# KiCad board Soldered Inkplate 6 FLICK_panel.kicad_pcb (continued)
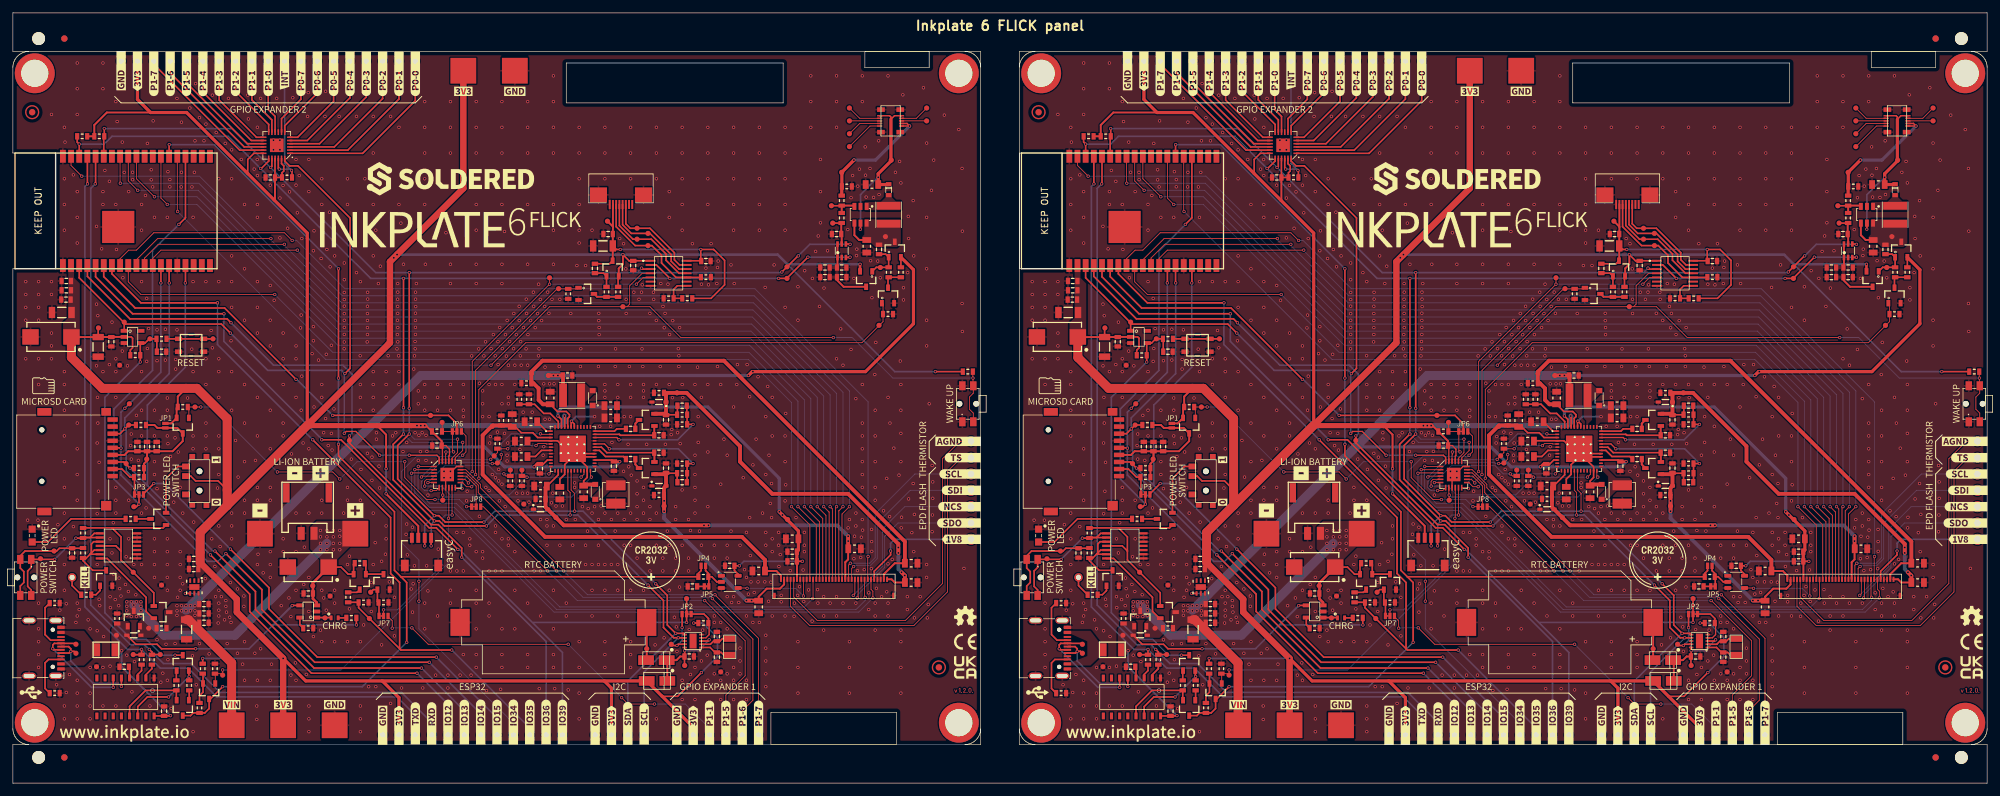
[diagram p0: board, top side]
## Placement (name value [footprint] x y rotation side) (continued)
kibuzzard-65561E03  G***  [kibuzzard-65561E03]  303.5 43 0 top
kibuzzard-65561E03#2  G***  [kibuzzard-65561E03]  147.1 43 0 top
kibuzzard-65647A0D  G***  [kibuzzard-65647A0D]  146.9 53.16 0 top
kibuzzard-65647A0D#2  G***  [kibuzzard-65647A0D]  303.3 53.16 0 top
kibuzzard-65647A02  G***  [kibuzzard-65647A02]  147.6 50.62 0 top
kibuzzard-65647A02#2  G***  [kibuzzard-65647A02]  304 50.62 0 top
kibuzzard-655603AE  G***  [kibuzzard-655603AE]  162.8 38.5 90 top
kibuzzard-655603AE#2  G***  [kibuzzard-655603AE]  6.4 38.5 90 top
kibuzzard-655616C1  G***  [kibuzzard-655616C1]  250.69 15 0 top
kibuzzard-655616C1#2  G***  [kibuzzard-655616C1]  94.29 15 0 top
kibuzzard-655616E7  G***  [kibuzzard-655616E7]  265.93 15 0 top
kibuzzard-655616E7#2  G***  [kibuzzard-655616E7]  109.53 15 0 top
kibuzzard-655618EE  G***  [kibuzzard-655618EE]  62.54 9.3 90 top
kibuzzard-655618EE#2  G***  [kibuzzard-655618EE]  218.94 9.3 90 top
kibuzzard-655619A9  G***  [kibuzzard-655619A9]  239.26 9.5 90 top
kibuzzard-655619A9#2  G***  [kibuzzard-655619A9]  82.86 9.5 90 top
kibuzzard-655619B1  G***  [kibuzzard-655619B1]  85.4 9.5 90 top
kibuzzard-655619B1#2  G***  [kibuzzard-655619B1]  241.8 9.5 90 top
kibuzzard-655619BF  G***  [kibuzzard-655619BF]  95.56 9.3 90 top
kibuzzard-655619BF#2  G***  [kibuzzard-655619BF]  251.96 9.3 90 top
kibuzzard-655619C8  G***  [kibuzzard-655619C8]  254.5 9.2 90 top
kibuzzard-655619C8#2  G***  [kibuzzard-655619C8]  98.1 9.2 90 top
kibuzzard-655619E4  G***  [kibuzzard-655619E4]  264.66 9.4 90 top
kibuzzard-655619E4#2  G***  [kibuzzard-655619E4]  108.26 9.4 90 top
kibuzzard-655619F2  G***  [kibuzzard-655619F2]  110.8 9.4 90 top
kibuzzard-655619F2#2  G***  [kibuzzard-655619F2]  267.2 9.4 90 top
kibuzzard-656479A8  G***  [kibuzzard-656479A8]  141.4 51.89 90 top
kibuzzard-656479A8#2  G***  [kibuzzard-656479A8]  297.8 51.89 90 top
kibuzzard-656479D1  G***  [kibuzzard-656479D1]  297.8 43 90 top
kibuzzard-656479D1#2  G***  [kibuzzard-656479D1]  141.4 43 90 top
kibuzzard-6556039F  G***  [kibuzzard-6556039F]  161.4 38.5 90 top
kibuzzard-6556039F#2  G***  [kibuzzard-6556039F]  4.8 32 90 top
kibuzzard-6556039F#3  G***  [kibuzzard-6556039F]  161.2 32 90 top
kibuzzard-6556039F#4  G***  [kibuzzard-6556039F]  5 38.5 90 top
kibuzzard-6556119D  G***  [kibuzzard-6556119D]  27.7 65.4 0 top
kibuzzard-6556119D#2  G***  [kibuzzard-6556119D]  184.1 65.4 0 top
kibuzzard-6556183B  G***  [kibuzzard-6556183B]  103.18 9 90 top
kibuzzard-6556183B#2  G***  [kibuzzard-6556183B]  259.58 9 90 top
kibuzzard-6556188F  G***  [kibuzzard-6556188F]  93.02 9 90 top
kibuzzard-6556188F#2  G***  [kibuzzard-6556188F]  249.42 9 90 top
kibuzzard-6556197A  G***  [kibuzzard-6556197A]  234.18 9.5 90 top
kibuzzard-6556197A#2  G***  [kibuzzard-6556197A]  77.78 9.5 90 top
kibuzzard-65560380  G***  [kibuzzard-65560380]  162.83 59.38 0 top
kibuzzard-65560380#2  G***  [kibuzzard-65560380]  6.43 59.38 0 top
kibuzzard-65560429  G***  [kibuzzard-65560429]  6.2 32 90 top
kibuzzard-65560429#2  G***  [kibuzzard-65560429]  162.6 32 90 top
kibuzzard-65561107  G***  [kibuzzard-65561107]  23.9 47 90 top
kibuzzard-65561107#2  G***  [kibuzzard-65561107]  180.3 47 90 top
kibuzzard-65561113  G***  [kibuzzard-65561113]  25.3 47 90 top
kibuzzard-65561113#2  G***  [kibuzzard-65561113]  181.7 47 90 top
kibuzzard-65561706  G***  [kibuzzard-65561706]  39.68 104.8 0 top
kibuzzard-65561706#2  G***  [kibuzzard-65561706]  196.08 104.8 0 top
kibuzzard-65561816  G***  [kibuzzard-65561816]  57.46 9 90 top
kibuzzard-65561816#2  G***  [kibuzzard-65561816]  213.86 9 90 top
kibuzzard-65561831  G***  [kibuzzard-65561831]  246.88 9 90 top
kibuzzard-65561831#2  G***  [kibuzzard-65561831]  90.48 9 90 top
kibuzzard-65561847  G***  [kibuzzard-65561847]  173.22 110.8 90 top
kibuzzard-65561847#2  G***  [kibuzzard-65561847]  16.82 110.8 90 top
kibuzzard-65561857  G***  [kibuzzard-65561857]  19.36 110.7 90 top
kibuzzard-65561857#2  G***  [kibuzzard-65561857]  175.76 110.7 90 top
kibuzzard-65561874  G***  [kibuzzard-65561874]  60 9 90 top
kibuzzard-65561874#2  G***  [kibuzzard-65561874]  216.4 9 90 top
kibuzzard-65561898  G***  [kibuzzard-65561898]  105.72 9 90 top
kibuzzard-65561898#2  G***  [kibuzzard-65561898]  262.12 9 90 top
kibuzzard-65561923  G***  [kibuzzard-65561923]  221.48 9.3 90 top
kibuzzard-65561923#2  G***  [kibuzzard-65561923]  65.08 9.3 90 top
kibuzzard-65561939  G***  [kibuzzard-65561939]  224.02 9.5 90 top
kibuzzard-65561939#2  G***  [kibuzzard-65561939]  67.62 9.5 90 top
kibuzzard-65561947  G***  [kibuzzard-65561947]  70.16 9.5 90 top
kibuzzard-65561947#2  G***  [kibuzzard-65561947]  226.56 9.5 90 top
kibuzzard-65561959  G***  [kibuzzard-65561959]  72.7 9.5 90 top
kibuzzard-65561959#2  G***  [kibuzzard-65561959]  229.1 9.5 90 top
kibuzzard-65561965  G***  [kibuzzard-65561965]  75.24 9.5 90 top
kibuzzard-65561965#2  G***  [kibuzzard-65561965]  231.64 9.5 90 top
kibuzzard-65561998  G***  [kibuzzard-65561998]  80.32 9.5 90 top
kibuzzard-65561998#2  G***  [kibuzzard-65561998]  236.72 9.5 90 top
L1  LQH44PN4R7MP0L  [1515L]  250.1 44.9 90 top
L1#2  LQH44PN4R7MP0L  [1515L]  93.7 44.9 90 top
L2  NR4012T2R2M  [NR4012]  243.3 60.3 0 top
L2#2  NR4012T2R2M  [NR4012]  86.9 60.3 0 top
L3  NR4012T220M  [NR4012]  136.1 88.4 270 top
L3#2  NR4012T220M  [NR4012]  292.5 88.4 270 top
PAD1  -  [PAD_4x4]  34 9 0 top
PAD1#2  -  [PAD_4x4]  190.4 9 0 top
PAD2  -  [PAD_4x4]  70 110.8 0 top
PAD2#2  -  [PAD_4x4]  226.4 110.8 0 top
PAD3  -  [PAD_4x4]  198.4 9 0 top
PAD3#2  -  [PAD_4x4]  42 9 0 top
PAD4  -  [PAD_4x4]  78 110.8 0 top
PAD4#2  -  [PAD_4x4]  234.4 110.8 0 top
PAD5  -  [PAD_4x4]  50 9 0 top
PAD5#2  -  [PAD_4x4]  206.4 9 0 top
PAD6  -  [PAD_4x4]  209.6 38.8 0 top
PAD6#2  -  [PAD_4x4]  53.2 38.8 0 top
PAD7  -  [PAD_4x4]  38.4 38.8 0 top
PAD7#2  -  [PAD_4x4]  194.8 38.8 0 top
Q1  DNP  [SOT-23-3]  186.9 14.3 270 top
Q1#2  DNP  [SOT-23-3]  30.5 14.3 270 top
Q2  NMOS  [SOT-23-3]  57.6 31.3 90 top
Q2#2  NMOS  [SOT-23-3]  214 31.3 90 top
Q3  PMOS  [SOT-23-3]  210.3 31.3 270 top
Q3#2  PMOS  [SOT-23-3]  53.9 31.3 270 top
Q4  NPN  [SOT-23-3]  26.4 18.7 90 top
Q4#2  NPN  [SOT-23-3]  182.8 18.7 90 top
Q5  NPN  [SOT-23-3]  182.8 11.7 270 top
Q5#2  NPN  [SOT-23-3]  26.4 11.7 270 top
Q6  PMOS  [SOT-23-3]  179 41.1 180 top
Q6#2  PMOS  [SOT-23-3]  22.6 41.1 180 top
Q7  SSM3J358R,LF  [SOT-23-3]  18.8 25.6 90 top
Q7#2  SSM3J358R,LF  [SOT-23-3]  175.2 25.6 90 top
Q8  NPN  [SOT-23-3]  14.5 31.9 90 top
Q8#2  NPN  [SOT-23-3]  170.9 31.9 90 top
Q9  SSM3J358R,LF  [SOT-23-3]  23.1 26.6 0 top
Q9#2  SSM3J358R,LF  [SOT-23-3]  179.5 26.6 0 top
Q10  PMOS  [SOT-23-3]  26.4 55.6 270 top
Q10#2  PMOS  [SOT-23-3]  182.8 55.6 270 top
Q11  NMOS  [SOT-23-3#2]  245.5 76.1 180 top
Q11#2  NMOS  [SOT-23-3#2]  89.1 76.1 180 top
Q12  PMOS  [SOT-23-3#2]  93.2 80.05 270 top
Q12#2  PMOS  [SOT-23-3#2]  249.6 80.05 270 top
Q13  PMOS  [SOT-23-3#2]  132.6 78.4 90 top
Q13#2  PMOS  [SOT-23-3#2]  289 78.4 90 top
Q14  NMOS  [SOT-23-3#2]  292.4 75.85 270 top
Q14#2  NMOS  [SOT-23-3#2]  136 75.85 270 top
Q15  PMOS  [SOT-23-3#2]  293.45 83 270 top
Q15#2  PMOS  [SOT-23-3#2]  137.05 83 270 top
R1  NTC-NCP18XH103F03RB  [0603R]  235.1 59.7 270 top
R1#2  NTC-NCP18XH103F03RB  [0603R]  78.7 59.7 270 top
R2  43k-RC0603FR-0743KL  [0603R]  80.2 59.7 270 top
R2#2  43k-RC0603FR-0743KL  [0603R]  236.6 59.7 270 top
R3  10k  [0603R]  167.17 100.6 0 top
R3#2  10k  [0603R]  10.77 100.6 0 top
R4  10k  [0603R]  169.83 100.6 180 top
R4#2  10k  [0603R]  13.43 100.6 180 top
R5  100k  [0603R]  75.3 52.8 90 top
R5#2  100k  [0603R]  231.7 52.8 90 top
R6  100k  [0603R]  233.7 47 270 top
R6#2  100k  [0603R]  77.3 47 270 top
R7  100k  [0603R]  235.5 47 270 top
R7#2  100k  [0603R]  79.1 47 270 top
R8  4k7  [0603R]  232.3 56.4 90 top
R8#2  4k7  [0603R]  75.9 56.4 90 top
R9  4k7  [0603R]  236.2 62.2 180 top
R9#2  4k7  [0603R]  79.8 62.2 180 top
R10  4k7  [0603R]  100.4 60.7 0 top
R10#2  4k7  [0603R]  256.8 60.7 0 top
R11  4k7  [0603R]  82 44.2 0 top
R11#2  4k7  [0603R]  238.4 44.2 0 top
R12  4k7  [0603R]  256.8 44.8 0 top
R12#2  4k7  [0603R]  100.4 44.8 0 top
R13  1M  [0603R]  260.4 57.3 180 top
R13#2  1M  [0603R]  104 57.3 180 top
R14  47k5-RC0603FR-0747K5L  [0603R]  260.4 55.8 0 top
R14#2  47k5-RC0603FR-0747K5L  [0603R]  104 55.8 0 top
R15  1M  [0603R]  104 48.2 180 top
R15#2  1M  [0603R]  260.4 48.2 180 top
R16  52k3-RC0603FR-0752K3L  [0603R]  104 49.7 0 top
R16#2  52k3-RC0603FR-0752K3L  [0603R]  260.4 49.7 0 top
R17  5k1  [0603R]  6.5 14 0 top
R17#2  5k1  [0603R]  162.9 14 0 top
R18  5k1  [0603R]  162.9 28 0 top
R18#2  5k1  [0603R]  6.5 28 0 top
R19  DNP  [0603R]  31.4 17.8 270 top
R19#2  DNP  [0603R]  187.8 17.8 270 top
R20  1k  [0603R]  185.9 17.8 90 top
R20#2  1k  [0603R]  29.5 17.8 90 top
R21  0R  [0603R]  185.4 11.7 90 top
R21#2  0R  [0603R]  29 11.7 90 top
R22  1k  [0603R]  20 19.2 90 top
R22#2  1k  [0603R]  176.4 19.2 90 top
R23  1k  [0603R]  178 19.2 90 top
R23#2  1k  [0603R]  21.6 19.2 90 top
R24  100k  [0603R]  57.6 28.1 180 top
R24#2  100k  [0603R]  214 28.1 180 top
R25  510k  [0603R]  210.3 34.2 180 top
R25#2  510k  [0603R]  53.9 34.2 180 top
R26  47R  [0603R]  179.5 69.1 180 top
R26#2  47R  [0603R]  23.1 69.1 180 top
R27  100k  [0603R]  52.1 28.9 90 top
R27#2  100k  [0603R]  208.5 28.9 90 top
R28  100k  [0603R]  54.5 28.1 180 top
R28#2  100k  [0603R]  210.9 28.1 180 top
R29  47k  [0603R]  175.43 66.55 180 top
R29#2  47k  [0603R]  19.03 66.55 180 top
R30  33k  [0603R]  181.8 15.2 270 top
R30#2  33k  [0603R]  25.4 15.2 270 top
R31  33k  [0603R]  183.8 15.2 90 top
R31#2  33k  [0603R]  27.4 15.2 90 top
R32  1k  [0603R]  174.7 41.1 180 top
R32#2  1k  [0603R]  18.3 41.1 180 top
R33  100k  [0603R]  16.2 25.6 270 top
R33#2  100k  [0603R]  172.6 25.6 270 top
R34  1k  [0603R]  11.4 29.3 180 top
R34#2  1k  [0603R]  167.8 29.3 180 top
R35  100k  [0603R]  10.9 38.9 90 top
R35#2  100k  [0603R]  167.3 38.9 90 top
R36  DNP  [0603R]  23.1 24.1 0 top
R36#2  DNP  [0603R]  179.5 24.1 0 top
R37  100k  [0603R]  167.3 35.8 270 top
R37#2  100k  [0603R]  10.9 35.8 270 top
R38  1k  [0603R]  209 25.7 180 top
R38#2  1k  [0603R]  52.6 25.7 180 top
R39  2k49  [0603R]  202.3 24.1 0 top
R39#2  2k49  [0603R]  45.9 24.1 0 top
R40  100k  [0603R]  26.4 58.5 0 top
R40#2  100k  [0603R]  182.8 58.5 0 top
R41  100k  [0603R]  148.4 64 180 top
R41#2  100k  [0603R]  304.8 64 180 top
R42  100k  [0603R]  176 47.6 0 top
R42#2  100k  [0603R]  19.6 47.6 0 top
R43  100k  [0603R]  176 49 0 top
R43#2  100k  [0603R]  19.6 49 0 top
R44  10k  [0603R]  263.7 24.9 180 top
R44#2  10k  [0603R]  107.3 24.9 180 top
R45  100k  [0603R]  176.3 55.7 0 top
R45#2  100k  [0603R]  19.9 55.7 0 top
R46  100k  [0603R]  242.7 76.1 90 top
R46#2  100k  [0603R]  86.3 76.1 90 top
R47  100k  [0603R]  94.05 76.4 90 top
R47#2  100k  [0603R]  250.45 76.4 90 top
R48  100k  [0603R]  92.25 76.4 270 top
R48#2  100k  [0603R]  248.65 76.4 270 top
R49  10k  [0603R]  104.8 75.4 0 top
R49#2  10k  [0603R]  261.2 75.4 0 top
R50  100k  [0603R]  101.9 75.4 180 top
R50#2  100k  [0603R]  258.3 75.4 180 top
R51  100k  [0603R]  136 72.95 180 top
R51#2  100k  [0603R]  292.4 72.95 180 top
R52  100k  [0603R]  294.4 79.45 90 top
R52#2  100k  [0603R]  138 79.45 90 top
R53  100k  [0603R]  136.1 79.45 90 top
R53#2  100k  [0603R]  292.5 79.45 90 top
R54  15R  [0603R]  286 92.8 180 top
R54#2  15R  [0603R]  129.6 92.8 180 top
R55  5k1  [0603R]  128.8 90.6 270 top
R55#2  5k1  [0603R]  285.2 90.6 270 top
R56  47k  [0603R]  285.2 87.9 270 top
R56#2  47k  [0603R]  128.8 87.9 270 top
R57  100k  [0603R]  107.7 78.7 0 top
R57#2  100k  [0603R]  264.1 78.7 0 top
R58  47R  [0603R]  107.3 32.1 0 top
R58#2  47R  [0603R]  263.7 32.1 0 top
R59  10k  [0603R]  222.3 54.7 0 top
R59#2  10k  [0603R]  65.9 54.7 0 top
R60  10k  [0603R]  42.6 94.2 0 top
R60#2  10k  [0603R]  199 94.2 0 top
REF**  -  [Fiducial]  8 4 0 top
REF**#2  -  [Logo-Front-Inkplate-6-FLICK]  68 87 0 top
REF**#3  -  [Version1.2.0]  147.8 14.4 0 top
REF**#4  -  [Logo-Front-InkplateWebPage-20mm]  17.33 7.78 0 top
REF**#5  -  [Logo-Front-CE-3.5mm]  148 22 0 top
REF**#6  -  [NPTH]  302.8 115.8 0 top
REF**#7  -  [Fiducial]  298.8 115.8 0 top
REF**#8  -  [Logo-Front-UKCA-3.5mm]  304.4 18 0 top
REF**#9  -  [Logo-Front-UKCA-3.5mm]  148 18 0 top
REF**#10  -  [NPTH]  302.8 4 0 top
REF**#11  -  [Symbol-Front-CR2032]  99.2 34.7 0 top
REF**#12  -  [Fiducial]  8 115.8 0 top
REF**#13  -  [Logo-Front-SolderedFULL-26mm]  224.4 94 0 top
REF**#14  -  [Symbol-Front-CR2032]  255.6 34.7 0 top
REF**#15  -  [Version1.2.0]  304.2 14.4 0 top
REF**#16  -  [Logo-Front-SolderedFULL-26mm]  68 94 0 top
REF**#17  -  [Fiducial]  298.8 4 0 top
REF**#18  -  [NPTH]  4 115.8 0 top
REF**#19  -  [Logo-Front-Inkplate-6-FLICK]  224.4 87 0 top
REF**#20  -  [Logo-Front-InkplateWebPage-20mm]  173.73 7.78 0 top
REF**#21  -  [Logo-Front-CE-3.5mm]  304.4 22 0 top
REF**#22  -  [NPTH]  4 4 0 top
REF**#23  -  [Fiducial]  8 4 0 bottom
REF**#24  -  [Fiducial]  8 115.8 0 bottom
REF**#25  -  [Fiducial]  298.8 4 0 bottom
REF**#26  -  [Fiducial]  298.8 115.8 0 bottom
S1  -  [SK-3296S-01-L1]  185.4 47 270 top
S1#2  -  [SK-3296S-01-L1]  29 47 270 top
SW1  -  [YTSA007A0151803B]  27.7 68.1 180 top
SW1#2  -  [YTSA007A0151803B]  184.1 68.1 180 top
SW2  -  [K2-1114SA-A4SW-06]  158.4 32 270 top
SW2#2  -  [K2-1114SA-A4SW-06]  2 32 270 top
SW3  -  [K2-1114SA-A4SW-06]  148.4 59 90 top
SW3#2  -  [K2-1114SA-A4SW-06]  304.8 59 90 top
TP1  -  [Test_Point_SMD_0.8mm]  130 99 0 top
TP1#2  -  [Test_Point_SMD_0.8mm]  286.4 99 0 top
TP2  -  [Test_Point_SMD_0.8mm]  286.4 101 0 top
TP2#2  -  [Test_Point_SMD_0.8mm]  130 101 0 top
TP3  -  [Test_Point_SMD_0.8mm]  142 103 0 top
TP3#2  -  [Test_Point_SMD_0.8mm]  298.4 103 0 top
TP4  -  [Test_Point_SMD_0.8mm]  286.4 103 0 top
TP4#2  -  [Test_Point_SMD_0.8mm]  130 103 0 top
TP5  -  [Test_Point_SMD_0.8mm]  298.4 105 0 top
TP5#2  -  [Test_Point_SMD_0.8mm]  142 105 0 top
TP6  -  [Test_Point_SMD_0.8mm]  130 105 0 top
TP6#2  -  [Test_Point_SMD_0.8mm]  286.4 105 0 top
TP7  -  [Test_Point_SMD_0.8mm]  120.3 78.5 0 top
TP7#2  -  [Test_Point_SMD_0.8mm]  276.7 78.5 0 top
TP8  -  [Test_Point_SMD_0.8mm]  120.3 80.3 0 top
TP8#2  -  [Test_Point_SMD_0.8mm]  276.7 80.3 0 top
TP9  -  [Test_Point_SMD_0.8mm]  185.5 37 0 top
TP9#2  -  [Test_Point_SMD_0.8mm]  29.1 37 0 top
TP10  -  [Test_Point_SMD_0.8mm]  29.3 23.4 0 top
TP10#2  -  [Test_Point_SMD_0.8mm]  185.7 23.4 0 top
TP11  -  [Test_Point_SMD_0.8mm]  16.1 23 0 top
TP11#2  -  [Test_Point_SMD_0.8mm]  172.5 23 0 top
TP12  -  [Test_Point_SMD_0.8mm]  21.1 24.1 0 top
TP12#2  -  [Test_Point_SMD_0.8mm]  177.5 24.1 0 top
TP13  -  [Test_Point_SMD_0.8mm]  23.1 30.8 0 top
TP13#2  -  [Test_Point_SMD_0.8mm]  179.5 30.8 0 top
TP14  -  [Test_Point_SMD_0.8mm]  189 16.8 0 top
TP14#2  -  [Test_Point_SMD_0.8mm]  32.6 16.8 0 top
TP15  -  [Test_Point_SMD_0.8mm]  22.9 20 0 top
TP15#2  -  [Test_Point_SMD_0.8mm]  179.3 20 0 top
TP16  -  [Test_Point_SMD_0.8mm]  18.7 20 0 top
TP16#2  -  [Test_Point_SMD_0.8mm]  175.1 20 0 top
TP17  -  [Test_Point_SMD_0.8mm]  166.2 21.6 0 top
TP17#2  -  [Test_Point_SMD_0.8mm]  9.8 21.6 0 top
TP18  -  [Test_Point_SMD_0.8mm]  9.8 20.2 0 top
TP18#2  -  [Test_Point_SMD_0.8mm]  166.2 20.2 0 top
TP19  -  [Test_Point_SMD_0.8mm]  169.4 18.1 0 top
TP19#2  -  [Test_Point_SMD_0.8mm]  13 18.1 0 top
TP20  -  [Test_Point_SMD_0.8mm]  94.8 74.1 0 top
TP20#2  -  [Test_Point_SMD_0.8mm]  251.2 74.1 0 top
TP21  -  [Test_Point_SMD_0.8mm]  239.8 78.6 0 top
TP21#2  -  [Test_Point_SMD_0.8mm]  83.4 78.6 0 top
TP22  -  [Test_Point_SMD_0.8mm]  84.8 76.9 0 top
TP22#2  -  [Test_Point_SMD_0.8mm]  241.2 76.9 0 top
TP23  -  [Test_Point_SMD_0.8mm]  239.6 63.4 0 top
TP23#2  -  [Test_Point_SMD_0.8mm]  83.2 63.4 0 top
TP24  -  [Test_Point_SMD_0.8mm]  218.3 55.6 0 top
TP24#2  -  [Test_Point_SMD_0.8mm]  61.9 55.6 0 top
TP25  -  [Test_Point_SMD_0.8mm]  74.5 55.5 0 top
TP25#2  -  [Test_Point_SMD_0.8mm]  230.9 55.5 0 top
TP26  -  [Test_Point_SMD_0.8mm]  80.6 63.7 0 top
TP26#2  -  [Test_Point_SMD_0.8mm]  237 63.7 0 top
TP27  -  [Test_Point_SMD_0.8mm]  101.2 43.1 0 top
TP27#2  -  [Test_Point_SMD_0.8mm]  257.6 43.1 0 top
TP28  -  [Test_Point_SMD_0.8mm]  97 86.3 0 top
TP28#2  -  [Test_Point_SMD_0.8mm]  253.4 86.3 0 top
TP29  -  [Test_Point_SMD_0.8mm]  98.7 85.5 0 top
TP29#2  -  [Test_Point_SMD_0.8mm]  255.1 85.5 0 top
TP30  -  [Test_Point_SMD_0.8mm]  97 84.6 0 top
TP30#2  -  [Test_Point_SMD_0.8mm]  253.4 84.6 0 top
TP31  -  [Test_Point_SMD_0.8mm]  98.7 83.6 0 top
TP31#2  -  [Test_Point_SMD_0.8mm]  255.1 83.6 0 top
TP32  -  [Test_Point_SMD_0.8mm]  248.8 87.4 0 top
TP32#2  -  [Test_Point_SMD_0.8mm]  92.4 87.4 0 top
TP33  -  [Test_Point_SMD_0.8mm]  103.2 60.7 0 top
TP33#2  -  [Test_Point_SMD_0.8mm]  259.6 60.7 0 top
TP34  -  [Test_Point_SMD_0.8mm]  240.8 41.3 0 top
TP34#2  -  [Test_Point_SMD_0.8mm]  84.4 41.3 0 top
TP35  -  [Test_Point_SMD_0.8mm]  276.8 41 0 top
TP35#2  -  [Test_Point_SMD_0.8mm]  120.4 41 0 top
TP36  -  [Test_Point_SMD_0.8mm]  235.5 48.7 0 top
TP36#2  -  [Test_Point_SMD_0.8mm]  79.1 48.7 0 top
TP37  -  [Test_Point_SMD_0.8mm]  231.2 50.9 0 top
TP37#2  -  [Test_Point_SMD_0.8mm]  74.8 50.9 0 top
TP38  -  [Test_Point_SMD_0.8mm]  77.3 48.7 0 top
TP38#2  -  [Test_Point_SMD_0.8mm]  233.7 48.7 0 top
TP39  -  [Test_Point_SMD_0.8mm]  75.3 49.8 0 top
TP39#2  -  [Test_Point_SMD_0.8mm]  231.7 49.8 0 top
TP40  -  [Test_Point_SMD_0.8mm]  66.8 44 0 top
TP40#2  -  [Test_Point_SMD_0.8mm]  223.2 44 0 top
TP41  -  [Test_Point_SMD_0.8mm]  79.4 43.4 0 top
TP41#2  -  [Test_Point_SMD_0.8mm]  235.8 43.4 0 top
TP42  -  [Test_Point_SMD_0.8mm]  283.8 87.1 0 top
TP42#2  -  [Test_Point_SMD_0.8mm]  127.4 87.1 0 top
TP43  -  [Test_Point_SMD_0.8mm]  128.8 95 0 top
TP43#2  -  [Test_Point_SMD_0.8mm]  285.2 95 0 top
TP44  -  [Test_Point_SMD_0.8mm]  136.5 96.9 0 top
TP44#2  -  [Test_Point_SMD_0.8mm]  292.9 96.9 0 top
TP45  -  [Test_Point_SMD_0.8mm]  292 85 0 top
TP45#2  -  [Test_Point_SMD_0.8mm]  135.6 85 0 top
TP46  -  [Test_Point_SMD_0.8mm]  134.8 80.2 0 top
TP46#2  -  [Test_Point_SMD_0.8mm]  291.2 80.2 0 top
TP47  -  [Test_Point_SMD_0.8mm]  291 71.2 0 top
TP47#2  -  [Test_Point_SMD_0.8mm]  134.6 71.2 0 top
TP48  -  [Test_Point_SMD_0.8mm]  127.2 89.8 0 top
TP48#2  -  [Test_Point_SMD_0.8mm]  283.6 89.8 0 top
TP49  -  [Test_Point_SMD_0.8mm]  203 30.7 0 top
TP49#2  -  [Test_Point_SMD_0.8mm]  46.6 30.7 0 top
TP50  -  [Test_Point_SMD_0.8mm]  48.5 25.7 0 top
TP50#2  -  [Test_Point_SMD_0.8mm]  204.9 25.7 0 top
TP51  -  [Test_Point_SMD_0.8mm]  49.3 29.1 0 top
TP51#2  -  [Test_Point_SMD_0.8mm]  205.7 29.1 0 top
TP52  -  [Test_Point_SMD_0.8mm]  20.8 50.4 0 top
TP52#2  -  [Test_Point_SMD_0.8mm]  177.2 50.4 0 top
TP53  -  [Test_Point_SMD_0.8mm]  184.7 58.5 0 top
TP53#2  -  [Test_Point_SMD_0.8mm]  28.3 58.5 0 top
TP54  -  [Test_Point_SMD_0.8mm]  175.2 43 0 top
TP54#2  -  [Test_Point_SMD_0.8mm]  18.8 43 0 top
TP55  -  [Test_Point_SMD_0.8mm]  174 49.7 0 top
TP55#2  -  [Test_Point_SMD_0.8mm]  17.6 49.7 0 top
TP56  -  [Test_Point_SMD_0.8mm]  18.1 59 0 top
TP56#2  -  [Test_Point_SMD_0.8mm]  174.5 59 0 top
TP57  -  [Test_Point_SMD_0.8mm]  174.4 55.7 0 top
TP57#2  -  [Test_Point_SMD_0.8mm]  18 55.7 0 top
TP58  -  [Test_Point_SMD_0.8mm]  221.3 57.2 0 top
TP58#2  -  [Test_Point_SMD_0.8mm]  64.9 57.2 0 top
TP59  -  [Test_Point_SMD_0.8mm]  223.1 56.1 0 top
TP59#2  -  [Test_Point_SMD_0.8mm]  66.7 56.1 0 top
TP60  -  [Test_Point_SMD_0.8mm]  212 29.7 0 top
TP60#2  -  [Test_Point_SMD_0.8mm]  55.6 29.7 0 top
TP61  -  [Test_Point_SMD_0.8mm]  211.8 25.6 0 top
TP61#2  -  [Test_Point_SMD_0.8mm]  55.4 25.6 0 top
TP62  -  [Test_Point_SMD_0.8mm]  160.7 34.9 0 top
TP62#2  -  [Test_Point_SMD_0.8mm]  4.3 34.9 0 top
TP63  -  [Test_Point_SMD_0.8mm]  6.4 36.1 0 top
TP63#2  -  [Test_Point_SMD_0.8mm]  162.8 36.1 0 top
TP64  -  [Test_Point_SMD_0.8mm]  175.1 32.8 0 top
TP64#2  -  [Test_Point_SMD_0.8mm]  18.7 32.8 0 top
TP65  -  [Test_Point_SMD_0.8mm]  13.3 70.8 0 top
TP65#2  -  [Test_Point_SMD_0.8mm]  169.7 70.8 0 top
TP66  -  [Test_Point_SMD_0.8mm]  173.7 71.7 0 top
TP66#2  -  [Test_Point_SMD_0.8mm]  17.3 71.7 0 top
TP67  -  [Test_Point_SMD_0.8mm]  21.3 69.1 0 top
TP67#2  -  [Test_Point_SMD_0.8mm]  177.7 69.1 0 top
TP68  -  [Test_Point_SMD_0.8mm]  31.1 69.1 0 top
TP68#2  -  [Test_Point_SMD_0.8mm]  187.5 69.1 0 top
TP69  -  [Test_Point_SMD_0.8mm]  173 65 0 top
TP69#2  -  [Test_Point_SMD_0.8mm]  16.6 65 0 top
TP70  -  [Test_Point_SMD_0.8mm]  208.7 53.3 0 top
TP70#2  -  [Test_Point_SMD_0.8mm]  52.3 53.3 0 top
TP71  -  [Test_Point_SMD_0.8mm]  260.8 18.3 0 top
TP71#2  -  [Test_Point_SMD_0.8mm]  104.4 18.3 0 top
TP72  -  [Test_Point_SMD_0.8mm]  254.9 20.9 0 top
TP72#2  -  [Test_Point_SMD_0.8mm]  98.5 20.9 0 top
TP73  -  [Test_Point_SMD_0.8mm]  261.1 28.7 0 top
TP73#2  -  [Test_Point_SMD_0.8mm]  104.7 28.7 0 top
TP74  -  [Test_Point_SMD_0.8mm]  258.7 21.6 0 top
TP74#2  -  [Test_Point_SMD_0.8mm]  102.3 21.6 0 top
TP75  -  [Test_Point_SMD_0.8mm]  110 17.3 0 top
TP75#2  -  [Test_Point_SMD_0.8mm]  266.4 17.3 0 top
U1  TPS65186RGZ  [VQFN-49]  243.4 52 0 top
U1#2  TPS65186RGZ  [VQFN-49]  87 52 0 top
U2  CH340C  [SOP-16]  173.9 13.4 270 top
U2#2  CH340C  [SOP-16]  17.5 13.4 270 top
U3  TPS3840PL27DBVR  [SOT-23-5]  175 69.4 0 top
U3#2  TPS3840PL27DBVR  [SOT-23-5]  18.6 69.4 0 top
U4  MC14093BDTR2G  [TSSOP-14]  172.8 36.9 180 top
U4#2  MC14093BDTR2G  [TSSOP-14]  16.4 36.9 180 top
U5  -  [TPS7A2633DRVR]  28.2 30.5 270 top
U5#2  -  [TPS7A2633DRVR]  184.6 30.5 270 top
U6  MCP73831T  [SOT-23-5]  202.3 26.7 180 top
U6#2  MCP73831T  [SOT-23-5]  45.9 26.7 180 top
U7  -  [PCF85063A]  105.7 22.1 180 top
U7#2  -  [PCF85063A]  262.1 22.1 180 top
U8  -  [TXS0104EPWR]  258.3 79.3 0 top
U8#2  -  [TXS0104EPWR]  101.9 79.3 0 top
U9  MCP47A1  [MCP47A1-SOT23-6]  285.2 82.8 90 top
U9#2  MCP47A1  [MCP47A1-SOT23-6]  128.8 82.8 90 top
U10  AP5726WG-7  [SOT26]  288.13 88.4 180 top
U10#2  AP5726WG-7  [SOT26]  131.73 88.4 180 top
U11  -  [ED060XC3]  72.2 59.9 0 top
U11#2  -  [ED060XC3]  228.6 59.9 0 top
U12  -  [SN74LVC1G34DBV]  267.8 31.3 0 top
U12#2  -  [SN74LVC1G34DBV]  111.4 31.3 0 top
U13  -  [PCAL6416AHF,128]  223.9 48 0 top
U13#2  -  [PCAL6416AHF,128]  67.5 48 0 top
U14  -  [ESP32-WROVER]  175.6 89 90 top
U14#2  -  [ESP32-WROVER]  19.2 89 90 top
U15  -  [PCAL6416AHF,128]  41 99.2 180 top
U15#2  -  [PCAL6416AHF,128]  197.4 99.2 180 top
X1  7LC32768F12UC  [ABS07AIG-32.768KHZ-7-D-T]  111.4 21.2 90 top
X1#2  7LC32768F12UC  [ABS07AIG-32.768KHZ-7-D-T]  267.8 21.2 90 top

## Library data of the parts
D10 D10#2 = -: Package: 0402

## Footprints (pads in the part's own frame, mm; a bottom-side part is the same pattern mirrored in y, then rotated)
0402LED
  rect 0.45x0.75 smd: 1(-0.55,0) 2(0.55,0)
0603C
  rect 0.66x1 smd: 1(-0.73,0) 2(0.73,0)
0603R
  rect 0.64x1 smd: 1(-0.775,0) 2(0.775,0)
0805C
  rect 0.9x1.35 smd: 1(-0.975,0) 2(0.975,0)
1206C
  rect 1x1.75 smd: 1(-1.525,0) 2(1.525,0)
1206FUSE
  rect 1x2 smd: 1(-1.4,0) 2(1.4,0)
1515L
  rect 1.55x3 smd: 1(-1.425,0) 2(1.425,0)
2917C
  rect 2.55x2.4 smd: 1(-3.175,0) 2(3.175,0)
ABS07AIG-32.768KHZ-7-D-T
  rect 1x1.8 smd: 1(-1.275,0) 2(1.275,0)
AXT310124
  rect 0.23x0.8 smd: 1(-0.8,-1.7) 2(-0.8,1.7) 3(-0.4,-1.7) 4(-0.4,1.7) 5(0,-1.7) 6(0,1.7) 7(0.4,-1.7) 8(0.4,1.7) 9(0.8,-1.7) 10(0.8,1.7)
  rect 0.7x1.2 smd: 11(-1.75,1.5) 11(-1.75,-1.5) 11(1.75,1.5) 11(1.75,-1.5)
CR2032-BS-6-1
  rect 3x4.2 smd: +(14.5,0) -(-14.5,0)
easyC-connector
  rect 0.6x1.55 smd: 1(-1.5,-2.15) 2(-0.5,-2.15) 3(0.5,-2.15) 4(1.5,-2.15)
  rect 1.2x1.8 smd: 5(-2.6,2.15) 5(2.6,2.15)
ESP32-WROVER
  rect 2x0.9 smd: 1(-8.5,11.43) 2(-8.5,10.16) 3(-8.5,8.89) 4(-8.5,7.62) 5(-8.5,6.35) 6(-8.5,5.08) 7(-8.5,3.81) 8(-8.5,2.54) 9(-8.5,1.27) 10(-8.5,0) 11(-8.5,-1.27) 12(-8.5,-2.54) 13(-8.5,-3.81) 14(-8.5,-5.08) 15(-8.5,-6.35) 16(-8.5,-7.62) 17(-8.5,-8.89) 18(-8.5,-10.16) 19(-8.5,-11.43) 20(8.5,-11.43) 21(8.5,-10.16) 22(8.5,-8.89) 23(8.5,-7.62) 24(8.5,-6.35) 25(8.5,-5.08) 26(8.5,-3.81) 27(8.5,-2.54) 28(8.5,-1.27) 29(8.5,0) 30(8.5,1.27) 31(8.5,2.54) 32(8.5,3.81) 33(8.5,5.08) 34(8.5,6.35) 35(8.5,7.62) 36(8.5,8.89) 37(8.5,10.16) 38(8.5,11.43)
  rect 5x5 smd: 39(-2.5,2.83)
FH34SRJ-34S-0.5SH(50)
  rect 0.3x0.8 smd: 1(-8.25,0) 2(-7.75,0) 3(-7.25,0) 4(-6.75,0) 5(-6.25,0) 6(-5.75,0) 7(-5.25,0) 8(-4.75,0) 9(-4.25,0) 10(-3.75,0) 11(-3.25,0) 12(-2.75,0) 13(-2.25,0) 14(-1.75,0) 15(-1.25,0) 16(-0.75,0) 17(-0.25,0) 18(0.25,0) 19(0.75,0) 20(1.25,0) 21(1.75,0) 22(2.25,0) 23(2.75,0) 24(3.25,0) 25(3.75,0) 26(4.25,0) 27(4.75,0) 28(5.25,0) 29(5.75,0) 30(6.25,0) 31(6.75,0) 32(7.25,0) 33(7.75,0) 34(8.25,0)
  rect 0.4x0.8 smd: 35(-9.25,-2.5) 35(9.25,-2.5)
Fiducial
  round 1 smd: (0,0)
FIDUCIAL_23
  round 1 smd: 1(0,0)
HEADER_MALE_1X1_Inkplate
  round 1.3 hole 0.8: 1(0,0)
HEADER_MALE_2X1
  round 1.524 hole 1: 1(-1.27,0) 2(1.27,0)
HEADER_MALE_5X1
  round 1.7 hole 1: 1(-5.08,0) 2(-2.54,0) 3(0,0) 4(2.54,0) 5(5.08,0)
HYC77-TF09-200
  round 0.8 hole 1 unplated: (-4.95,-5.5) (3.05,-5.5)
  rect 0.7x1.6 smd: 1(2.25,5.5) 2(1.15,5.5) 3(0.05,5.5) 4(-1.05,5.5) 5(-2.15,5.5) 6(-3.25,5.5) 7(-4.35,5.5) 8(-5.45,5.5) CD(-6.55,5.5)
  rect 1.2x2.2 smd: 12(7.75,-5.1) MNT(-7.75,-5.1)
  rect 1.2x1.5 smd: MNT(-7.75,4.5)
  rect 1.5x1.6 smd: MNT(6.85,4.5)
JST-2pin-SMD
  rect 1x3 smd: (-3.3,3.15) (3.3,3.15)
  rect 1.1x2 smd: 1(1,-3.15) 2(-1,-3.15)
K2-1114SA-A4SW-06
  round 0.9 hole 0.9 unplated: (0,1.3) (0,-1.3)
  rect 1.4x1 smd: 1(-2.8,0.85) 1(2.8,0.85) 2(-2.8,-0.85) 2(2.8,-0.85)
LTST-S270GKT
  rect 1.1x1.1 smd: 1(-1,0) 2(1,0)
M4_DIODA
  rect 2.45x1.5 smd: 1(-1.6,0) 2(1.6,0)
MCP47A1-SOT23-6
  rect 0.85x0.4 smd: 1(-1.05,0.65) 2(-1.05,0) 3(-1.05,-0.65) 4(1.05,-0.65) 5(1.05,0) 6(1.05,0.65)
NPTH
  round 2 hole 2 unplated: (0,0)
NR4012
  rect 1.2x3.7 smd: 1(-1.4,0) 2(1.4,0)
PAD_4x4
  rect 4x4 smd: 1(0,0)
PCAL6416AHF,128
  rect 0.9x0.24 smd: 1(-2.05,1.25) 2(-2.05,0.75) 3(-2.05,0.25) 4(-2.05,-0.25) 5(-2.05,-0.75) 6(-2.05,-1.25) 13(2.05,-1.25) 14(2.05,-0.75) 15(2.05,-0.25) 16(2.05,0.25) 17(2.05,0.75) 18(2.05,1.25)
  rect 0.24x0.9 smd: 7(-1.25,-2.05) 8(-0.75,-2.05) 9(-0.25,-2.05) 10(0.25,-2.05) 11(0.75,-2.05) 12(1.25,-2.05) 19(1.25,2.05) 20(0.75,2.05) 21(0.25,2.05) 22(-0.25,2.05) 23(-0.75,2.05) 24(-1.25,2.05)
  rect 2.1x2.1 smd: 25(0,0)
PCF85063A
  rect 1.1x2.3 smd: (0,0)
  rect 0.7x0.25 smd: 1(-1.3,1) 2(-1.3,0.5) 3(-1.3,0) 4(-1.3,-0.5) 5(-1.3,-1) 6(1.3,-1) 7(1.3,-0.5) 8(1.3,0) 9(1.3,0.5) 10(1.3,1)
SFV8R-1STBE1HLF
  rect 0.3x1.4 smd: 1(-1.75,0) 2(-1.25,0) 3(-0.75,0) 4(-0.25,0) 5(0.25,0) 6(0.75,0) 7(1.25,0) 8(1.75,0)
  rect 2.65x2.3 smd: 9(-3.5,-1.5) 9(3.5,-1.5)
SK-3296S-01-L1
  rect 0.9x1.2 smd: 1(2.1,-2.1) 2(-0.75,-2.1) 3(-2.25,-2.1)
  round 0.9 hole 0.9: MH1(-1.5,0) MH2(1.5,0)
  rect 0.8x0.9 smd: MP1(-3.8,-1.125) MP2(3.75,-1.125) MP3(3.8,1.075) MP4(-3.8,1.075)
SMD-JUMPER-CONNECTED_TRACE_SOLDERMASK
  rect 0.5x1 smd: 1(-0.35,0) 2(0.35,0)
SMD_JUMPER
  rect 0.5x1 smd: 1(-0.35,0) 2(0.35,0)
SMD_JUMPER_3_PAD_CONNECTED_LEFT_TRACE
  rect 0.5x1 smd: 1(-0.7,0) 3(0.7,0)
  custom 0.5x1 smd: 2(0,0)
SN74LVC1G34DBV
  rrect 1.1x0.6 smd: 1(-1.3,0.95) 2(-1.3,0) 3(-1.3,-0.95) 4(1.3,-0.95) 5(1.3,0.95)
SOD-323
  rect 0.8x0.5 smd: 1(1.1,0) 2(-1.1,0)
SOD-323#2
  rect 0.8x0.5 smd: 1(-1.1,0) 2(1.1,0)
SOD-323-2
  rect 0.8x0.9 smd: 1(-1.15,0) 2(1.15,0)
SOD-523
  rect 0.85x0.65 smd: 1(0,-0.85) 2(0,0.85)
SOP-16
  rect 1.05x0.48 smd: 1(-2.95,4.445) 2(-2.95,3.175) 3(-2.95,1.905) 4(-2.95,0.635) 5(-2.95,-0.635) 6(-2.95,-1.905) 7(-2.95,-3.175) 8(-2.95,-4.445) 9(2.95,-4.445) 10(2.95,-3.175) 11(2.95,-1.905) 12(2.95,-0.635) 13(2.95,0.635) 14(2.95,1.905) 15(2.95,3.175) 16(2.95,4.445)
SOT26
  rect 0.6x1.1 smd: 1(-0.95,-1.3) 2(0,-1.3) 3(0.95,-1.3) 4(0.95,1.3) 5(0,1.3) 6(-0.95,1.3)
SOT-23-3
  rect 1x0.6 smd: 1(-1.2,0.95) 2(-1.2,-0.95) 3(1.2,0)
SOT-23-3#2
  rect 1x0.6 smd: 1(1.2,-0.95) 2(1.2,0.95) 3(-1.2,0)
SOT-23-5
  rect 1.1x0.6 smd: 1(-1.3,0.95) 2(-1.3,0) 3(-1.3,-0.95) 4(1.3,-0.95) 5(1.3,0.95)
Standoff_M3
  round 6.2 hole 4.22: (0,0)
Test_Point_SMD_0.8mm
  round 0.8 smd: TP(0,0)
TPS7A2633DRVR
  rect 0.7x0.3 smd: 1(-0.995,0.65) 2(-0.995,0) 3(-0.995,-0.65) 4(0.995,-0.65) 5(0.995,0) 6(0.995,0.65)
  rect 0.89x1.6 smd: 5(0,0)
TSSOP-14
  rect 1.26x0.36 smd: 1(-2.9,1.95) 2(-2.9,1.3) 3(-2.9,0.65) 4(-2.9,0) 5(-2.9,-0.65) 6(-2.9,-1.3) 7(-2.9,-1.95) 8(2.9,-1.95) 9(2.9,-1.3) 10(2.9,-0.65) 11(2.9,0) 12(2.9,0.65) 13(2.9,1.3) 14(2.9,1.95)
